# KiCad board uC_TP_Boussole_mb.kicad_pcb (continued)
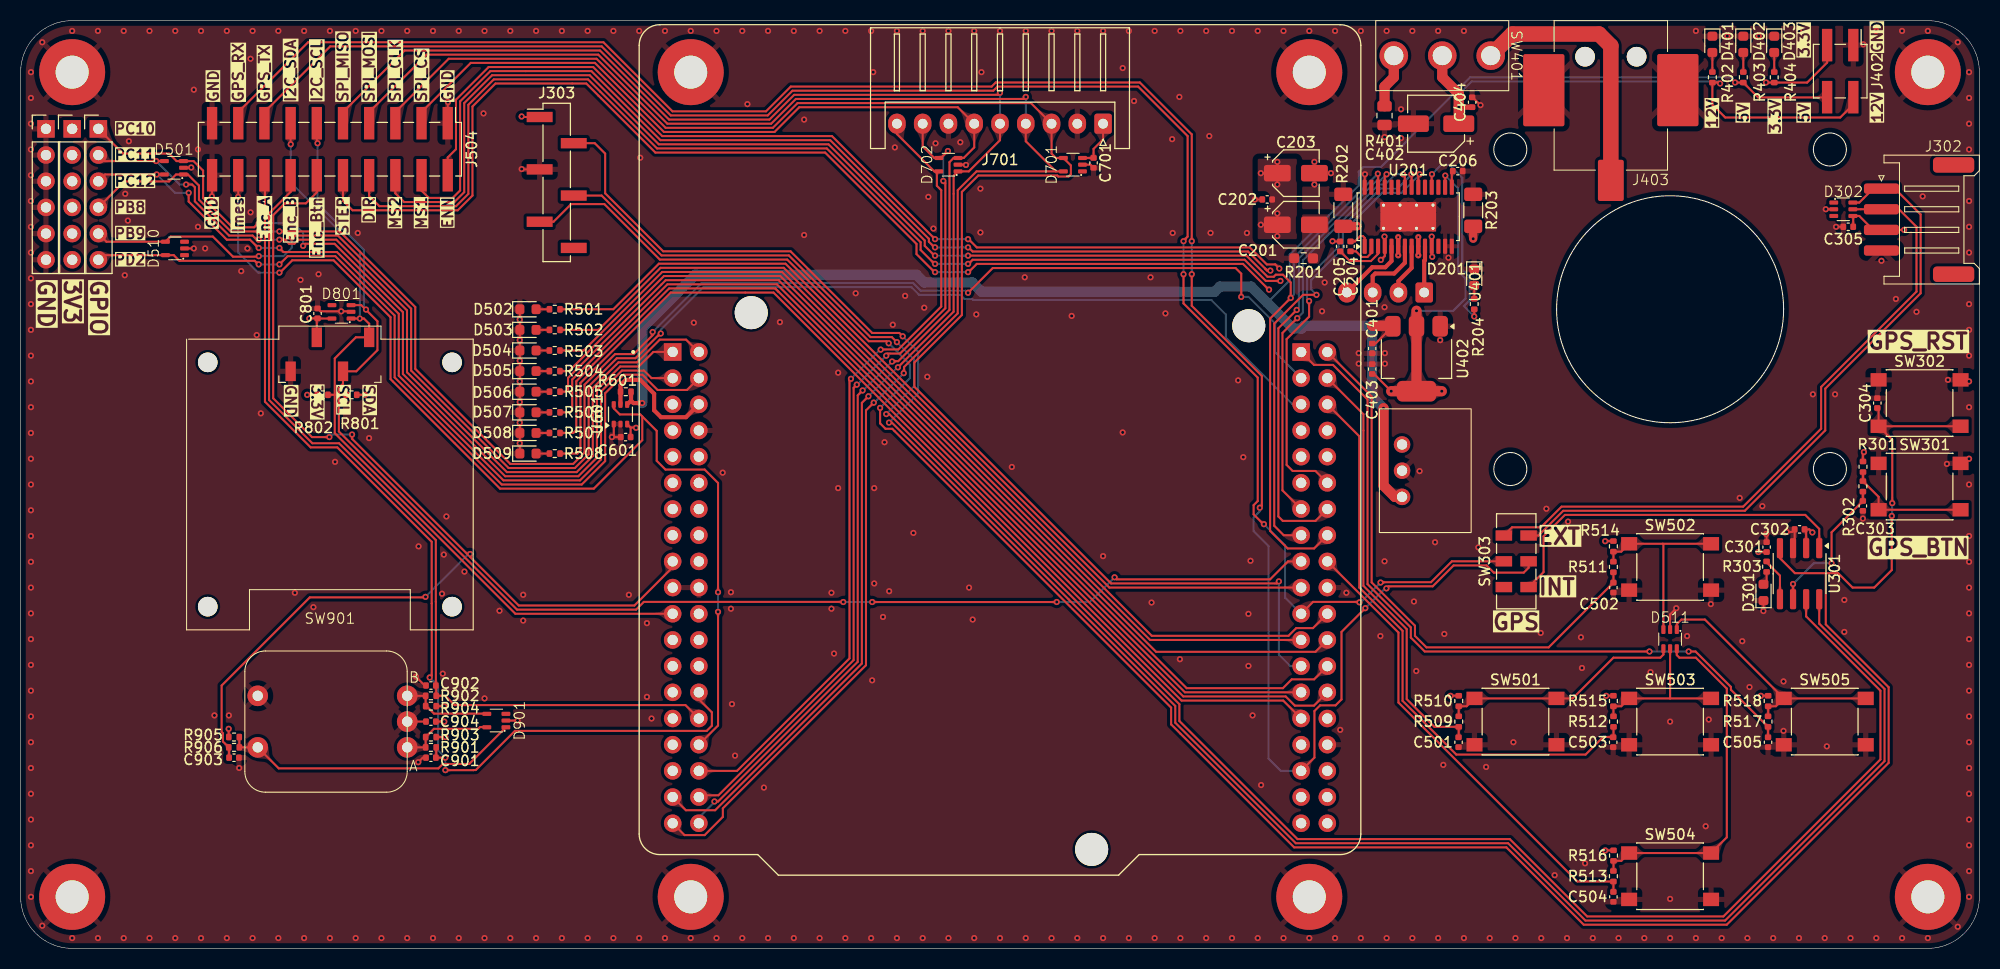
[diagram p0: board, top side]
## Nets
+3.3V: C301.1 C302.1 C305.1 C403.1 C601.1 C701.1 C801.1 C904.1 D302.4 D701.3 D801.5 J302.3 J303.1 J402.3 J502.1 J502.2 J502.3 J502.4 J502.5 J502.6 J701.1 J801.2 R301.2 R404.1 R510.2 R514.2 R515.2 R516.2 R518.2 R801.2 R802.2 R903.1 R904.1 R905.1 U201.16 U301.2 U402.2 U601.3
+5V: C401.1 J402.4 R403.1 R601.1 U401.3 U402.3 U601.4
+12V: C201.1 C202.1 C203.1 C205.1 C402.1 C404.1 J402.2 R402.1 SW401.2 U201.4 U201.11 U401.1
GND: C202.2 C203.2 C206.1 C301.2 C302.2 C303.2 C304.2 C305.2 C401.2 C402.2 C403.2 C404.2 C501.2 C502.2 C503.2 C504.2 C505.2 C601.2 C701.2 C801.2 C901.2 C902.2 C903.2 C904.2 D201.1 D301.1 D302.2 D401.1 D402.1 D403.1 D501.2 D502.1 D503.1 D504.1 D505.1 D506.1 D507.1 D508.1 D509.1 D510.2 D511.2 D701.2 D702.2 D801.2 D901.2 H101.1 H102.1 H103.1 H104.1 H105.1 H106.1 H107.1 H108.1 J302.4 J303.3 J402.1 J403.2 J403.3 J501.1 J501.2 J501.3 J501.4 J501.5 J501.6 J504.1 J504.19 J504.20 J701.2 J701.7 J801.1 R201.2 R202.2 R203.2 R401.2 SW301.1 SW302.1 SW501.2 SW502.2 SW503.2 SW504.2 SW505.2 SW901.C SW901.S2 U201.13 U201.14 U201.28 U201.29 U301.3 U401.2 U402.1 U501.108 U501.119 U501.120 U501.122 U501.209 U501.220 U501.232 U601.1 U601.2
/Current_NCS199A3RSQT2G/Imes: J504.18 U501.132 U601.6
/Current_NCS199A3RSQT2G/Load: R601.2 U501.106 U601.5
/GPS_TEL0094_STM32C011J4M6/GPS_RX: D302.5 J302.2 SW303.3
/GPS_TEL0094_STM32C011J4M6/GPS_TX: D302.6 J302.1 SW303.6
/GPS_TEL0094_STM32C011J4M6/NUCLEO_RX: J504.17 SW303.5 U501.233
/GPS_TEL0094_STM32C011J4M6/NUCLEO_TX: J504.15 SW303.2 U501.221
/GPS_TEL0094_STM32C011J4M6/STM32C0_BTN: C303.1 R302.2 U301.6
/GPS_TEL0094_STM32C011J4M6/STM32C0_LED: R303.1 U301.5
/GPS_TEL0094_STM32C011J4M6/STM32C0_NRST: C304.1 J303.5 SW302.2 U301.4
/GPS_TEL0094_STM32C011J4M6/STM32C0_SWCLK: J303.2 U301.8
/GPS_TEL0094_STM32C011J4M6/STM32C0_SWDIO: J303.4 U301.7
/GPS_TEL0094_STM32C011J4M6/STM32C0_TX: SW303.4 U301.1
/Magnetometre_BMM150_SEN0419/INT: D702.5 J701.9 U501.134
/Magnetometre_BMM150_SEN0419/SPI_CLK: D701.4 J504.5 J701.3 U501.225
/Magnetometre_BMM150_SEN0419/SPI_CS: D702.3 J504.3 J701.6 U501.138
/Magnetometre_BMM150_SEN0419/SPI_MISO: D702.1 J504.9 J701.5 U501.135
/Magnetometre_BMM150_SEN0419/SPI_MOSI: D701.5 J504.7 J701.4 U501.137
/Magnetometre_BMM150_SEN0419/STATUS: D702.4 J701.8 U501.136
/NUCLEO_L476RG/BTN_B: D511.6 R513.2 R516.1 SW504.1
/NUCLEO_L476RG/BTN_BOT: C504.1 R513.1 U501.218
/NUCLEO_L476RG/BTN_C: D511.5 R512.2 R515.1 SW503.1
/NUCLEO_L476RG/BTN_CENTER: C503.1 R512.1 U501.206
/NUCLEO_L476RG/BTN_L: D511.4 R509.2 R510.1 SW501.1
/NUCLEO_L476RG/BTN_LEFT: C501.1 R509.1 U501.204
/NUCLEO_L476RG/BTN_R: D511.1 R517.2 R518.1 SW505.1
/NUCLEO_L476RG/BTN_RIGHT: C505.1 R517.1 U501.201
/NUCLEO_L476RG/BTN_T: D511.3 R511.2 R514.1 SW502.1
/NUCLEO_L476RG/BTN_TOP: C502.1 R511.1 U501.202
/NUCLEO_L476RG/ENC_BTN: C903.1 J504.12 R906.2 U501.117
/NUCLEO_L476RG/I2C1_SCL: D801.3 J504.11 J801.3 R801.1 U501.217
/NUCLEO_L476RG/I2C1_SDA: D801.1 J504.13 J801.4 R802.1 U501.121
/NUCLEO_L476RG/LED_0: R501.1 U501.219
/NUCLEO_L476RG/LED_1: R502.1 U501.222
/NUCLEO_L476RG/LED_2: R503.1 U501.223
/NUCLEO_L476RG/LED_3: R504.1 U501.224
/NUCLEO_L476RG/LED_4: R505.1 U501.226
/NUCLEO_L476RG/LED_5: R506.1 U501.227
/NUCLEO_L476RG/LED_6: R507.1 U501.228
/NUCLEO_L476RG/LED_7: R508.1 U501.229
/NUCLEO_L476RG/PB8: D501.1 J503.4 U501.203
/NUCLEO_L476RG/PB9: D510.4 J503.5 U501.205
/NUCLEO_L476RG/PC10: D501.3 J503.1 U501.101
/NUCLEO_L476RG/PC11: D501.4 J503.2 U501.102
/NUCLEO_L476RG/PC12: D501.5 J503.3 U501.103
/NUCLEO_L476RG/PD2: D510.5 J503.6 U501.104
/NUCLEO_L476RG/STEPPER_DIR: J504.8 U201.20 U501.215
/NUCLEO_L476RG/STEPPER_ENN: J504.2 U201.21 U501.212
/NUCLEO_L476RG/STEPPER_MS1: J504.4 U201.25 U501.214
/NUCLEO_L476RG/STEPPER_MS2: J504.6 U201.26 U501.216
/NUCLEO_L476RG/TIM2_CH1_ENC_A: C901.1 J504.16 R901.1 U501.128
/NUCLEO_L476RG/TIM2_CH2_ENC_B: C902.1 J504.14 R902.1 U501.130
/NUCLEO_L476RG/TIM3_CH1_STEPPER_PWM: J504.10 U201.22 U501.213
/Rotary_Encodeur/A: D901.5 R901.2 R903.2 SW901.A
/Rotary_Encodeur/B: D901.4 R902.2 R904.2 SW901.B
/Rotary_Encodeur/S: D901.1 R905.2 R906.1 SW901.S1
/TMC2225_Driver/A1: J201.3 U201.7
/TMC2225_Driver/A2: J201.4 U201.5
/TMC2225_Driver/B1: J201.2 U201.8
/TMC2225_Driver/B2: J201.1 U201.10
Net-(C201-Pad2): C201.2 R201.1
Net-(D201-A): D201.2 R204.1
Net-(D301-A): D301.2 R303.2
Net-(D401-A): D401.2 R402.2
Net-(D402-A): D402.2 R403.2
Net-(D403-A): D403.2 R404.2
Net-(D502-A): D502.2 R501.2
Net-(D503-A): D503.2 R502.2
Net-(D504-A): D504.2 R503.2
Net-(D505-A): D505.2 R504.2
Net-(D506-A): D506.2 R505.2
Net-(D507-A): D507.2 R506.2
Net-(D508-A): D508.2 R507.2
Net-(D509-A): D509.2 R508.2
Net-(R301-Pad1): R301.1 R302.1 SW301.2
Net-(SW401-A): J403.1 SW401.1
Net-(SW401-C): R401.1 SW401.3
Net-(U201-5VOUT): C206.2 U201.15
Net-(U201-BRA): R202.1 U201.6
Net-(U201-BRB): R203.1 U201.9
Net-(U201-CPI): C204.1 U201.2
Net-(U201-CPO): C204.2 U201.1
Net-(U201-DIAG): R204.2 U201.18
Net-(U201-VCP): C205.2 U201.3

Pads without a net: D302 1 3; D510 1 3; D701 1; D801 4; D901 3; J303 6; SW303 1; U201 12 17 19 23 24 27; U501 105 107 109 110 111 112 113 114 115 116 118 123 124 125 126 127 129 131 133 207 208 210 211 230 231 234 235 236 237 238

## Via types
v1: diameter 0.6, hole 0.3, Top to Bottom, 538 vias
v2: diameter 0.4, hole 0.2, Top to Bottom, 4 vias

## Routing (per net, layer and track width the routed paths; a pad name or vN(x,y) marks a point on that pad's centre or on a via; arc(x,y) is an arc through that point)
+3.3V: length 75.3
  Top w0.2: R904.1 v1(41.1,23.5) ; R515.2 153.81,24.51 v1(153.8,24.5) ; C305.1 177.76,71.02 177.72,71.05 178.35,71.05 179.7,69.7 J302.3 v1(182.7,69.7) ; 59.17,50.53 59.67,50.53 v1(59.7,50.5) ; 59.17,50.53 U601.3 ; 59.17,50.53 C601.1 ; D701.3 104.07,76.67 C701.1 104.07,77.56 105,78.48 J701.1 ; C403.1 131.28,55.72 v1(132.95,54.05) ; R802.2 v1(27.8,53.7) ; R301.2 178.71,47.21 178.7,47.2 178.7,48.05 v1(178.8,48.15) ; v1(138.7,24.5) 138.71,24.51 R510.2 ; v1(138.19,74.97) 138.18,74.95 138.18,73.84 ; C801.1 28.73,61.05 J801.2 ; C801.1 28.82,61.1 D801.5 ; C801.1 28.02,61.12 v1(28,61.1) ; v1(168.8,24.5) 168.81,24.51 R518.2 ; R905.1 20.19,21.29 v1(20.18,21.3) ; R801.2 v1(33.4,53.7) ; v1(169.3,84) 169.31,83.99 R404.1 173.29,83.99 175.23,85.93 175.23,87.42 ; R903.1 v1(41.2,20.5) ; R516.2 153.71,9.51 v1(153.7,9.5) ; J303.1 48.65,80.65 v1(48.6,80.7) ; R514.2 153.71,39.51 v1(153.7,39.5) ; v1(173.8,40.35) 173.5,40.65 C302.1 173.19,40.5 U301.2 ; C904.1 v1(41.1,22) ; C301.1 v1(168.56,38.45)
  Top w1: U402.2 U402.2 v1(135.4,61.85) ; U402.2 v1(132.95,54.05) ; U402.2 v1(137.85,54.05)
  Bottom w0.2: v1(135.4,61.85) 138.96,61.85 140.15,63.04 140.15,64.96 139.44,65.67 139.44,73.72 v1(138.19,74.97)
+5V: length 174.9
  Top w0.2: C401.1 131.43,58.68 U402.3 ; v1(166.3,84) 166.31,83.99 R403.1 168.54,82.55 175.06,82.55 175.23,82.38
  Top w0.4: R601.1 59.21,53.14 ; 59.21,53.14 U601.4 ; 59.21,53.14 59.44,52.9 v1(60.3,52.9)
  Top w1: v1(132.2,52.4) 132.2,44.9 133.3,43.8 U401.3 ; U402.3 133.05,60.4 v1(131.1,60.4)
  Bottom w0.2: v1(166.3,84) 165.8,84.5 140.6,84.5 134.5,78.4 134.5,78.35 131.95,75.8 130.25,75.8 129.8,75.35 129.8,74 123.1,67.3 123.1,64.8 120.93,62.63
  Bottom w1: v1(60.3,52.9) 60.3,60.2 65.45,65.35 86.9,65.35 87.65,64.6 92.31,64.6 93.21,63.7 115.83,63.7 116.33,64.2 119.36,64.2 123.42,60.14 124.25,60.14 124.51,60.4 v1(131.1,60.4) 131.1,53.5 v1(132.2,52.4)
+12V: length 89.4
  Top w0.2: v1(132.29,69.05) 132.32,69.02 U201.4 132.32,67.18 v1(131.94,66.79) ; C201.1 v1(121.9,71.3) ; C201.1 v1(121.9,69.1) ; C201.1 v1(120.3,70.2) ; C203.1 v1(120.3,75.2) ; C203.1 v1(121.9,74.1) ; C203.1 v1(121.9,76.3) ; v1(136.93,67.09) 136.88,67.14 U201.11 136.88,69.05 v1(136.87,69.05) ; J402.2 177.77,81.87 176.5,80.6 165.35,80.6 164.1,81.85 R402.1 164.76,83.99 v1(164.85,83.9) ; v1(127.25,68.6) 127.27,68.58 C205.1
  Top w0.5: C404.1 v1(139.5,81.6)
  Top w1: C402.1 v1(139.5,81.6) 139.5,82.9 137.9,84.5 SW401.2
  In1.Cu w1: U401.1 135.71,48.88 141,54.17 141,59.89 140,60.89 140,61.71 140.84,62.55 140.84,66.71
  Bottom w0.2: v1(164.85,83.9) 164.65,84.1 140.77,84.1 139.5,82.83 v1(139.5,81.6)
GND: length 46.7
  Top w0.2: v1(171.3,40.4) 171.83,40.4 C302.2 172.08,38.98 U301.3 ; v1(141.61,81.8) 140.85,82.56 C404.2 ; D302.2 v1(175.1,71.7) ; v1(38.57,18.06) 39.01,18.5 C901.2 ; D510.2 v1(16.8,67.9) ; v1(41.45,82.1) 41.43,82.08 J504.1 ; D702.2 91.68,76.03 v1(91.7,76) ; C801.2 29.08,61.8 32,61.8 D801.2 ; v1(16.55,75.75) 16.53,75.72 D501.2 ; C305.2 v1(176.1,70) ; U601.1 57.53,49.78 v1(57.35,49.6) C601.2 ; U201.28 130.38,75.08 v1(130.4,75.1) ; C701.2 103.77,76.03 D701.2 ; J504.20 18.57,72.97 v1(18.55,72.95) ; 180.6,47 180.55,47.05 SW301.1 ; D301.1 169.06,32.73 v1(169.05,32.72) ; v1(160.6,33) 160,32.4 D511.2 160,31.31 ; D901.2 v1(48.2,22.1) ; v1(38.34,26.36) 39.2,25.5 C902.2 ; 48.42,48 48.42,48.99 v1(48.41,49) 48.42,49.01 48.42,50.99 v1(48.41,51) 48.42,51.01 48.42,52.99 v1(48.41,53) 48.42,53.01 48.42,54.99 v1(48.41,55) 48.42,55.01 48.42,56.99 v1(48.41,57) 48.42,57.01 48.42,58.99 v1(48.41,59) 48.42,59.01 48.42,60.99 v1(48.41,61) 48.42,61.01 48.42,62 ; v1(169.32,40.2) 169.36,40.17 C301.2 ; v1(119.72,72.65) C202.2 ; v1(48.6,75.6) 48.63,75.57 J303.3 ; C904.2 SW901.C
  vias: v1(1,85) v1(1,82.5) v1(1,80) v1(1,77.5) v1(1,75) v1(1,72.5) v1(1,70) v1(1,67.5) v1(1,65) v1(1,62.5) v1(1,60) v1(1,57.5) v1(1,55) v1(1,52.5) v1(1,50) v1(1,47.5) v1(1,45) v1(1,42.5) v1(1,40) v1(1,37.5) v1(1,35) v1(1,32.5) v1(1,30) v1(1,27.5) v1(1,25) v1(1,22.5) v1(1,20) v1(1,17.5) v1(1,15) v1(1,12.5) v1(1,10) v1(1,7.5) v1(1,5) v1(2.1,87.9) v1(2.1,2.2) v1(5,89) v1(5,1) v1(7.5,89) v1(7.5,1) v1(10,89) v1(10,1) v1(10.15,73.2) v1(10.1,65.3) v1(10.4,70.6) v1(10.5,78.3) v1(12.5,89) v1(12.5,1) v1(15,89) v1(15,1) v1(16.8,83.3) v1(17.2,77.5) v1(17.2,70) v1(17.5,89) v1(17.5,1) v1(17.9,67.9) v1(18.8,22.6) v1(20,89) v1(20,1) v1(20.2,22.6) v1(21.2,17.5) v1(21.4,65.7) v1(22,67.9) v1(22.3,86.3) v1(22.3,71.4) v1(22.5,89) v1(22.5,1) v1(22.9,59.5) v1(23.3,51.9) v1(25,89) v1(25,1) v1(26.6,34.5) v1(27.15,64.85) v1(27.5,89) v1(27.5,1) v1(28.4,33.1) v1(28.9,65.4) v1(30,89) v1(30,1) v1(30.5,47.2) v1(31.1,61.8) v1(32.5,89) v1(32.5,1) v1(32.7,69.4) v1(33.8,49.5) v1(35,89) v1(35,1) v1(37.5,89) v1(37.5,1) v1(38.6,39) v1(40,89) v1(40,1) v1(40.88,34.4) v1(41.05,38.2) v1(40.95,26.65) v1(41.3,41.9) v1(42.5,89) v1(42.5,1) v1(43.05,36.55) v1(44.9,81) v1(45,89) v1(45,24.25) v1(45,1) v1(46.45,32.75) v1(47.5,89) v1(47.5,1) v1(48.75,34.3) v1(48.75,31.8) v1(50,89) v1(50,1) v1(52.5,89) v1(52.5,1) v1(55,89) v1(55,1) v1(57.5,89) v1(57.5,1) v1(59,34.3) v1(60,89) v1(60,1) v1(60.1,76.7) v1(60.75,31.55) v1(60.75,24.4) v1(61.2,22.3) v1(62.5,89) v1(62.5,1) v1(65,89) v1(65,1) v1(65.3,60.7) v1(67.5,89) v1(67.5,1) v1(68.1,46.15) v1(68.9,34.55) v1(68.9,32.95) v1(69,23.7) v1(69.3,18.7) v1(70,89) v1(70,1) v1(70.5,81.9) v1(72.1,15.6) v1(72.5,89) v1(72.5,1) v1(73.65,60.75) v1(75,89) v1(75,1) v1(76,80.4) v1(76,69.2) v1(77.5,89) v1(77.5,1) v1(78.65,34.5) v1(78.65,32.95) v1(78.9,28.6) v1(79.3,55.85) v1(79.3,44.65) v1(80,89) v1(80,1) v1(81,63.55) v1(82.5,89) v1(82.5,1) v1(82.6,26) v1(82.7,85) v1(82.8,44.65) v1(82.8,35.4) v1(83.65,32.15) v1(83.8,49.1) v1(84.25,34.65) v1(84.6,60.5) v1(84.8,77.7) v1(85,89) v1(85,1) v1(85.8,63.3) v1(86.6,40.3) v1(87.5,89) v1(87.5,1) v1(87.65,62.15) v1(87.95,55.45) v1(88.05,72.9) v1(88.54,69.83) v1(88.75,78.1) v1(90,89) v1(90,1) v1(91.15,78.2) v1(92,35) v1(92.35,31.9) v1(92.5,89) v1(92.5,1) v1(92.7,61.5) v1(93.1,73.7) v1(93.1,69.45) v1(93.2,85) v1(95,89) v1(95,1) v1(96.15,46.7) v1(97.4,65.1) v1(97.5,89) v1(97.5,1) v1(100,89) v1(100,1) v1(101.95,61.35) v1(102.5,89) v1(102.5,1) v1(105,89) v1(105,38.05) v1(105,1) v1(106.9,85.4) v1(106.9,50.05) v1(107.5,89) v1(107.5,1) v1(108,82.2) v1(109.6,65.1) v1(109.7,33.55) v1(110,89) v1(110,1) v1(111.05,61.6) v1(111.7,78.5) v1(111.75,69.4) v1(112.4,82.6) v1(112.45,28.05) v1(112.5,89) v1(112.5,1) v1(115,89) v1(115,1) v1(115.3,78.8) v1(115.42,69.41) v1(117.5,89) v1(117.5,1) v1(118.1,55.1) v1(118.6,47.65) v1(118.95,69.4) v1(119.1,32.45) v1(119.1,27.4) v1(119.3,37.6) v1(119.5,22.6) v1(120,89) v1(120,1) v1(120.33,15.85) v1(122.5,89) v1(122.5,1) v1(125,89) v1(125,1) v1(125.5,76.3) v1(125.5,74.1) v1(126.24,61.81) v1(126.49,64.6) v1(127.1,75.2) v1(127.5,89) v1(127.5,1) v1(128,21.2) v1(128.6,34.5) v1(129.79,57.74) v1(129.79,56.73) v1(130,89) v1(130,1) v1(131.9,30.3) v1(132.3,78.7) v1(132.3,62.2) v1(132.33,57.74) v1(132.33,56.73) v1(132.3,37.55) v1(132.5,89) v1(132.5,1) v1(133.9,81.4) v1(133.9,78.6) v1(135,89) v1(135,1) v1(135.15,33.65) v1(135.38,26.9) v1(135.7,46.3) v1(137.2,39.4) v1(137.5,89) v1(137.5,1) v1(137.7,59) v1(138,17.8) v1(138.1,30.5) v1(138.5,67) v1(140,89) v1(140,1) v1(141.4,38.9) v1(142.15,17.6) v1(142.5,1) v1(144.8,20) v1(145,1) v1(147.45,30.6) v1(147.5,1) v1(148,42.65) v1(148.8,7.1) v1(150,1) v1(150.1,41.4) v1(151.35,30.18) v1(151.45,27.2) v1(151.75,8.25) v1(152.5,1) v1(155,1) v1(157.5,1) v1(158.1,26.8) v1(160,22) v1(160,4.8) v1(160,1) v1(161.65,30.3) v1(162.5,89) v1(162.5,1) v1(163.45,11.85) v1(163.75,22.2) v1(163.95,33.4) v1(165,1) v1(165.55,88.5) v1(166.75,43.7) v1(167,29.8) v1(167.5,1) v1(167.7,25.35) v1(168.6,88.5) v1(168.95,42.9) v1(170,1) v1(171,25.9) v1(171,21.1) v1(172.5,89) v1(172.5,1) v1(173.85,53.75) v1(175,1) v1(175.2,19.6) v1(176,53.75) v1(176.9,33.8) v1(176.9,30.7) v1(177.5,1) v1(178.7,41.7) v1(178.75,87.7) v1(180,89) v1(180,1) v1(180.5,66.7) v1(181.9,63) v1(182.5,89) v1(182.5,1) v1(183.9,61.75) v1(184.5,72.95) v1(185,89) v1(185,1) v1(186.85,47) v1(186.95,55.15) v1(187.9,87.9) v1(187.9,2.1) v1(189,85) v1(189,82.5) v1(189,80) v1(189,77.5) v1(189,72.5) v1(189,70) v1(189,67.5) v1(189,62.5) v1(189,60) v1(189,57.5) v1(189,55) v1(189,52.5) v1(189,47.5) v1(189,45) v1(189,40) v1(189,37.5) v1(189,35) v1(189,32.5) v1(189,30) v1(189,27.5) v1(189,25) v1(189,22.5) v1(189,20) v1(189,17.5) v1(189,15) v1(189,12.5) v1(189,10) v1(189,7.5) v1(189,5)
/Current_NCS199A3RSQT2G/Imes: length 106.3
  Top w0.2: U501.132 67.65,21.62 v1(67.65,32.65) ; J504.18 21.11,72.91 v1(21.1,72.9) ; U601.6 57.53,52.39 58.12,51.8 60.1,51.8 60.3,51.6 ; v1(25.1,65.55) 25.15,65.55 26.35,66.75 30.36,66.75 35.88,61.22 35.88,55.22 46.51,44.6 55.6,44.6 60.3,49.3 60.3,51.6 ; 60.3,51.6 61.7,50.2 61.7,47.3 62.55,46.45 66.35,46.45 67.65,45.15 v1(67.65,34.55)
  Bottom w0.2: v1(25.1,65.55) 23.05,65.55 21.1,67.5 v1(21.1,72.9) ; v1(67.65,32.65) v1(67.65,34.55)
/Current_NCS199A3RSQT2G/Load: length 12.6
  Top w0.4: U601.5 58.19,54 R601.2 58.19,54.64 58.7,55.15 60.1,55.15 61.45,53.8 61.45,52.2 62.12,51.53 64.54,51.53 U501.106
/GPS_TEL0094_STM32C011J4M6/GPS_RX: length 65.1
  Top w0.2: SW303.3 144.68,40.85 147.47,40.85 149.47,42.85 167.08,42.85 174.65,50.42 174.65,54.47 183.9,63.72 183.9,70 182.2,71.7 J302.2 178.03,71.7
/GPS_TEL0094_STM32C011J4M6/GPS_TX: length 66
  Top w0.2: 146.28,40.05 147.23,40.05 149.63,42.45 167.25,42.45 175.05,50.25 175.05,54.3 184.3,63.55 184.3,71.2 181.8,73.7 J302.1 179.7,73.7 178.35,72.35 177.72,72.35
/GPS_TEL0094_STM32C011J4M6/NUCLEO_RX: length 208.5
  Top w0.2: v1(120.2,42.75) 120.4,42.95 120.4,55.53 113.6,62.33 v1(113.6,65.4) 113.6,65.6 ; J504.17 21.11,81.12 27.89,87.9 56.53,87.9 63.23,81.2 72.3,81.2 74.7,83.6 94.19,83.6 94.59,84 108.57,84 113.6,78.97 v1(113.6,68.6) ; U501.233 125.5,18.51 125.5,23.02 126.05,23.58 127.55,23.58 128.12,24.15 128.12,30.7 130.43,33.01 v1(130.44,33.01) ; v1(132.48,34.92) 132.68,35.12 136.97,35.12 139,37.15 142.2,37.15 142.9,36.45 145.8,36.45 146.28,36.92 146.28,37.55
  Bottom w0.2: v1(113.6,68.6) v1(113.6,65.4) ; v1(132.48,34.92) 132.35,34.92 v1(130.44,33.01) ; U501.233 122.23,17.22 121.05,18.4 121.05,39.03 119.6,40.48 119.6,41.8 120.2,42.4 v1(120.2,42.75)
/GPS_TEL0094_STM32C011J4M6/NUCLEO_TX: length 172.6
  Top w0.2: v1(112.8,68.6) 113,68.8 113,68.85 113.2,69.05 113.2,78.8 108.4,83.6 94.75,83.6 94.35,83.2 74.87,83.2 72.47,80.8 63.07,80.8 56.37,87.5 30.03,87.5 23.65,81.12 J504.15 ; v1(129.87,33.57) 129.83,33.61 125.36,33.61 U501.221 ; v1(120.6,41.15) 120.55,41.15 119.6,42.1 119.6,42.99 120,43.39 120,55.37 112.8,62.57 v1(112.8,65.4) ; v1(131.91,35.49) 132.2,35.49 132.23,35.52 136.81,35.52 138.83,37.55 SW303.2
  Bottom w0.2: v1(120.6,41.15) 122.65,39.1 122.65,34.02 U501.221 ; v1(129.87,33.57) 130.07,33.78 130.2,33.78 v1(131.91,35.49) ; v1(112.8,68.6) v1(112.8,65.4)
/GPS_TEL0094_STM32C011J4M6/STM32C0_BTN: length 14.3
  Top w0.2: U301.6 v1(171.93,35.35) ; v1(175.66,37.36) 175.66,40.36 C303.1 R302.2
  Bottom w0.2: v1(175.66,37.36) 173.94,37.36 v1(171.93,35.35)
/GPS_TEL0094_STM32C011J4M6/STM32C0_LED: length 4.2
  Top w0.2: U301.5 170.66,36.16 169.36,37.46 R303.1
/GPS_TEL0094_STM32C011J4M6/STM32C0_NRST: length 234.2
  Top w0.2: SW302.2 188.18,50.65 ; SW302.2 180.22,52.3 C304.1 ; SW302.2 181.55,49.33 v1(181.55,43.19) ; U301.4 170.66,37.85 172.11,36.4 175.1,36.4 ; v1(84.2,58.7) 84,58.9 82.28,58.9 74.36,66.82 62,66.82 56.62,72.2 53.4,72.2 51.69,70.49 J303.5 ; 175.1,36.4 176.3,36.4 177.7,35 179.8,35 181.5,36.7 v1(181.5,41.95) ; 175.1,36.4 175.1,31.43 181.2,25.33 181.2,18 165.5,2.3 151.62,2.3 144.12,9.8 123.53,9.8 112.5,20.83 111.6,21.73 111.6,23.35 101.98,32.98 ; v1(83.37,52.43) 83.37,50.93 83.9,50.4 84.55,50.4 101.88,33.08
  Bottom w0.2: v1(181.5,41.95) 181.55,42 v1(181.55,43.19) ; v1(84.2,58.7) 86.26,56.64 86.26,55.32 v1(83.37,52.43)
/GPS_TEL0094_STM32C011J4M6/STM32C0_SWCLK: length 194.4
  Top w0.2: v1(85.56,59.38) 85.24,59.7 82.61,59.7 74.69,67.62 62.33,67.62 56.7,73.25 56.7,77.1 55.69,78.11 J303.2 ; v1(84.23,51) 84.52,51 101.66,33.86 112,23.52 112,21.89 123.69,10.2 144.29,10.2 151.79,2.7 165.33,2.7 180.8,18.17 180.8,25.17 174.47,31.5 U301.8
  Bottom w0.2: v1(84.23,51) 87.06,53.83 87.06,57.88 v1(85.56,59.38)
/GPS_TEL0094_STM32C011J4M6/STM32C0_SWDIO: length 188.4
  Top w0.2: U301.7 173.19,32.2 180.4,25 180.4,18.33 165.17,3.1 151.95,3.1 144.45,10.6 123.86,10.6 112.4,22.06 112.4,23.68 93.89,42.19 84.25,51.83 v1(83.97,51.83) ; v1(85,58.81) 84.51,59.3 82.44,59.3 74.52,67.22 62.17,67.22 56.36,73.03 J303.4
  Bottom w0.2: v1(85,58.81) 86.66,57.15 86.66,54.52 v1(83.97,51.83)
/GPS_TEL0094_STM32C011J4M6/STM32C0_TX: length 35.6
  Top w0.2: 146.28,35.05 147.72,36.5 147.72,39.97 149.8,42.05 173.11,42.05 174.47,40.69 U301.1
/Magnetometre_BMM150_SEN0419/INT: length 77.9
  Top w0.2: J701.9 85,79 88.62,75.38 D702.5 88.88,75.17 88.88,73.97 89.3,73.55 89.3,62.27 85.13,58.1 83.44,58.1 v1(83.42,58.08) ; U501.134 69.49,17.22 80.4,28.13 80.4,55.11 v1(80.54,55.26)
  Bottom w0.2: v1(80.54,55.26) 83.37,58.08 v1(83.42,58.08)
/Magnetometre_BMM150_SEN0419/SPI_CLK: length 162.8
  Top w0.2: v1(122.05,35.6) 121.85,35.4 105.78,35.4 86.7,54.48 86.7,56.84 91.3,61.44 91.3,73.38 92.89,74.97 100.56,74.97 100.66,74.88 101.64,74.88 101.88,75.11 101.88,75.95 D701.4 100.43,76.67 100,77.1 J701.3 98,82 75.37,82 72.97,79.6 62.57,79.6 55.87,86.3 41.53,86.3 36.35,81.12 J504.5
  Bottom w0.2: U501.225 123.17,27.38 122.05,28.5 v1(122.05,35.6)
/Magnetometre_BMM150_SEN0419/SPI_CS: length 141.2
  Top w0.2: v1(67.3,14.25) 67.65,14.25 81.2,27.8 81.2,53.65 v1(81.68,54.13) ; J504.3 38.89,81.12 43.67,85.9 55.7,85.9 62.4,79.2 73.13,79.2 75.53,81.6 90.9,81.6 J701.6 92.5,77.7 91.47,76.67 D702.3 90.5,76.67 90.1,76.27 90.1,61.93 85.13,56.96 84.85,56.96 84.81,56.93 v1(84.53,56.93)
  Bottom w0.2: v1(84.53,56.93) 81.73,54.13 v1(81.68,54.13) ; U501.138 65.79,12.69 67.3,14.2 v1(67.3,14.25)
/Magnetometre_BMM150_SEN0419/SPI_MISO: length 157.5
  Top w0.2: v1(82.24,53.56) 81.6,52.92 81.6,27.63 67.37,13.4 64.53,13.4 U501.135 ; v1(95,83) 94.8,82.8 75.03,82.8 72.63,80.4 62.9,80.4 56.2,87.1 37.25,87.1 31.27,81.12 J504.9 ; J701.5 95,78.4 91.97,75.38 D702.1 90.5,74.95 90.5,61.77 v1(85.09,56.36)
  Bottom w0.2: v1(82.24,53.56) 85.04,56.36 v1(85.09,56.36) ; v1(95,83) J701.5
/Magnetometre_BMM150_SEN0419/SPI_MOSI: length 166.7
  Top w0.2: J504.7 33.81,81.12 39.39,86.7 56.03,86.7 62.73,80 72.8,80 75.2,82.4 97.3,82.4 v1(97.5,82.6) ; D701.5 100.43,75.38 ; 100.43,75.38 92.72,75.38 90.9,73.55 90.9,61.6 85.69,56.4 85.69,56.11 85.66,56.08 v1(85.66,55.8) ; 100.43,75.38 97.5,78.3 J701.4 ; U501.137 64.4,10.99 66.35,10.99 68.12,12.76 68.12,13.58 82,27.47 82,52.19 v1(82.76,52.94)
  Bottom w0.2: v1(82.76,52.94) 82.81,52.94 v1(85.66,55.8) ; v1(97.5,82.6) J701.4
/Magnetometre_BMM150_SEN0419/STATUS: length 80
  Top w0.2: U501.136 65.96,14.85 67.68,14.85 80.8,27.97 80.8,54.38 v1(81.11,54.69) ; v1(89.5,74.45) 89.7,74.25 89.7,62.1 85.3,57.7 84.1,57.7 83.96,57.56 v1(83.96,57.49) ; v1(89.95,77.35) 89.28,76.67 D702.4 88.62,76.67 87.5,77.8 J701.8
  Bottom w0.2: v1(89.5,74.45) 89.5,76.9 v1(89.95,77.35) ; v1(83.96,57.49) 81.16,54.69 v1(81.11,54.69)
/NUCLEO_L476RG/BTN_B: length 34.2
  Top w0.2: R513.2 154.51,7.52 R516.1 155.26,8.49 SW504.1 SW504.1 165.5,10.78 165.5,25.2 162.5,28.2 160.9,28.2 160.65,28.45 D511.6
/NUCLEO_L476RG/BTN_BOT: length 45.6
  Top w0.2: C504.1 R513.1 151.01,6.49 133.65,23.85 133.65,30.64 U501.218
/NUCLEO_L476RG/BTN_C: length 15.6
  Top w0.2: D511.5 160,24.25 ; 160,24.25 SW503.1 155.26,23.49 R515.1 154.5,22.52 R512.2 ; 160,24.25 SW503.1
/NUCLEO_L476RG/BTN_CENTER: length 56.1
  Top w0.2: 154.51,20.51 153.51,20.51 151.8,18.8 139.26,18.8 134.05,24.01 134.05,30.81 129.85,35.01 129.85,49.68 U501.206 ; 154.51,20.51 R512.1 ; 154.51,20.51 C503.1
/NUCLEO_L476RG/BTN_L: length 23.5
  Top w0.2: D511.4 159.35,28.5 159.05,28.2 154.5,28.2 150.55,24.25 SW501.1 SW501.1 140.26,23.49 R510.1 R509.2
/NUCLEO_L476RG/BTN_LEFT: length 41.5
  Top w0.2: C501.1 139.5,20.5 R509.1 137.14,21.49 134.45,24.18 134.45,30.97 130.25,35.17 130.25,51.82 U501.204
/NUCLEO_L476RG/BTN_R: length 25
  Top w0.2: SW505.1 SW505.1 ; SW505.1 163.38,31.9 161.1,31.9 160.65,31.45 D511.1 ; SW505.1 170.26,23.49 R518.1 169.51,22.52 R517.2
/NUCLEO_L476RG/BTN_RIGHT: length 72.6
  Top w0.2: U501.201 125.46,56.6 127.3,56.6 130.65,53.25 130.65,35.34 134.85,31.14 134.85,30.15 136.2,28.8 v1(158,28.8) ; C505.1 R517.1 165.9,25.09 165.9,25.37 162.47,28.8 v1(161.8,28.8)
  Bottom w0.2: v1(161.8,28.8) v1(158,28.8)
/NUCLEO_L476RG/BTN_T: length 19.1
  Top w0.2: D511.3 159.35,39.2 159.3,39.25 ; 159.3,39.25 SW502.1 155.26,38.49 R514.1 R511.2 ; 159.3,39.25 SW502.1
/NUCLEO_L476RG/BTN_TOP: length 54.4
  Top w0.2: U501.202 131.05,53.55 131.05,35.5 135.25,31.3 135.25,30.32 136.37,29.2 148.22,29.2 C502.1 R511.1
/NUCLEO_L476RG/ENC_BTN: length 111.1
  Top w0.2: v1(32.15,49.85) 32.15,49.43 43.32,38.26 v1(43.61,38.26) 43.61,37.97 48.32,33.26 59.53,33.26 63.25,36.98 U501.117 ; v1(39.28,34.1) 39.22,34.05 28.05,34.05 19.5,25.5 19.5,20.99 19.62,20.87 19.62,20.07 R906.2 20.22,19.47 C903.1 ; v1(29.95,49.6) 28.27,49.6 24.5,53.37 24.5,71.13 25.64,72.28 27.67,72.28 28.73,73.33 J504.12
  Bottom w0.2: v1(39.28,34.1) 43.43,38.26 v1(43.61,38.26) ; v1(32.15,49.85) 30.2,49.85 v1(29.95,49.6)
/NUCLEO_L476RG/I2C1_SCL: length 139.6
  Top w0.2: R801.1 30.87,53.7 ; 30.87,53.7 30.87,54.37 31.27,54.77 J801.3 32.56,55.98 34.61,58.03 34.61,60.83 33.04,62.4 D801.3 ; 30.87,53.7 30.87,50.15 48.16,32.86 59.7,32.86 60.45,33.61 79.79,33.61 v1(79.8,33.6) ; J504.11 28.73,78.17 v1(28.8,78.1) ; v1(106.11,36) 106.31,35.8 121.2,35.8 122.94,37.54 U501.217 ; 100.5,33.6 v1(82.6,33.6)
  Bottom w0.2: v1(106.11,36) 103.71,33.6 100.5,33.6 ; v1(28.8,78.1) 28.8,72.27 33.3,67.77 33.3,62.17 v1(33.5,61.97) ; v1(79.8,33.6) v1(82.6,33.6)
  vias: v1(100.5,33.6)
/NUCLEO_L476RG/I2C1_SDA: length 77.1
  Top w0.2: v1(26.2,78) 26.19,78.01 J504.13 ; 30.47,53.7 30.47,49.98 47.99,32.46 U501.121 ; 30.47,53.7 R802.1 ; 30.47,53.7 30.47,57.23 32.52,59.28 J801.4 33.81,60.59 33.3,61.1 v1(32.9,61.1) D801.1
  Bottom w0.2: v1(32.9,61.1) 32.9,67.6 26.2,74.3 v1(26.2,78)
/NUCLEO_L476RG/LED_0: length 86.7
  Top w0.2: U501.219 105.61,35 74.19,66.42 61.91,66.42 57.49,62 R501.1
/NUCLEO_L476RG/LED_1: length 92.6
  Top w0.2: R502.1 56.05,60 62.07,66.02 74.02,66.02 109.72,30.32 122.98,30.32 123.73,31.07 125.36,31.07 U501.222
/NUCLEO_L476RG/LED_2: length 89.8
  Top w0.2: R503.1 54.62,58 62.24,65.62 73.86,65.62 109.56,29.92 U501.223
/NUCLEO_L476RG/LED_3: length 93.8
  Top w0.2: U501.224 125.6,28.77 110.14,28.77 73.69,65.22 62.41,65.22 53.19,56 R504.1
/NUCLEO_L476RG/LED_4: length 96.9
  Top w0.2: U501.226 125.47,26.1 123.3,26.1 122.44,25.24 113.11,25.24 73.53,64.82 62.57,64.82 53.1,55.35 53.1,54.2 52.9,54 R505.1
/NUCLEO_L476RG/LED_5: length 95.2
  Top w0.2: U501.227 112.94,24.84 73.36,64.42 62.74,64.42 53.5,55.18 53.5,52.2 53.3,52 R506.1
/NUCLEO_L476RG/LED_6: length 100.7
  Top w0.2: 73.2,64.02 73.51,63.71 ; 73.2,64.02 62.9,64.02 53.9,55.02 53.9,50.3 53.6,50 R507.1 ; 73.2,64.02 73.51,63.71 ; 73.51,63.71 112.78,24.44 122.71,24.44 123.6,23.55 125.46,23.55 U501.228
/NUCLEO_L476RG/LED_7: length 99.3
  Top w0.2: R508.1 54,48 54.3,48.3 54.3,54.85 63.07,63.62 73.03,63.62 112.61,24.04 122.47,24.04 U501.229
/NUCLEO_L476RG/PB8: length 154
  Top w0.2: v1(25.1,69.55) 30.95,69.55 38.28,62.22 38.28,56.22 47.5,47 53.6,47 54.7,48.1 54.7,54.69 57.66,57.65 59.47,57.65 61.31,59.49 v1(61.31,59.79) ; v1(91.9,63.6) 94.3,66 117.85,66 118.4,65.45 v1(118.4,63.2) ; J503.4 10.06,74.4 14.4,74.4 15.08,75.08 16.22,75.08 17.3,74 17.3,72.63 20.38,69.55 v1(23.1,69.55)
  Bottom w0.2: U501.203 121.7,57.83 121.7,60.6 119.1,63.2 v1(118.4,63.2) ; v1(61.31,59.79) 66.06,64.55 86.57,64.55 87.32,63.8 91.7,63.8 v1(91.9,63.6) ; v1(23.1,69.55) v1(25.1,69.55)
/NUCLEO_L476RG/PB9: length 149.7
  Top w0.2: v1(23.1,67.15) 23.05,67.1 20.6,67.1 18.65,69.05 14.55,69.05 D510.4 8.33,68.55 J503.5 ; v1(62.09,59.65) 61.89,59.45 61.83,59.45 59.63,57.25 57.83,57.25 55.1,54.52 55.1,47.93 53.77,46.6 47.33,46.6 37.88,56.05 37.88,62.05 30.78,69.15 26.5,69.15 v1(26.3,68.95)
  Bottom w0.2: U501.205 123.37,52.78 116.9,59.25 116.9,61.5 115.5,62.9 92.4,62.9 92.3,63 91.55,63 91.15,63.4 87.15,63.4 86.4,64.15 66.23,64.15 62.09,60.01 v1(62.09,59.65) ; v1(23.1,67.15) 25.5,67.15 26.3,67.95 v1(26.3,68.95)
/NUCLEO_L476RG/PC10: length 84.8
  Top w0.2: v1(27.4,68.15) 27.6,68.35 30.45,68.35 37.08,61.72 37.08,55.72 47,45.8 54.1,45.8 55.9,47.6 55.9,54.19 58.16,56.45 59.97,56.45 61.38,57.86 U501.101 ; J503.1 9.94,77.1 14.4,77.1 15.12,76.38 16.77,76.38 17.7,75.45 17.7,72.8 20.55,69.95 22.65,69.95 22.85,70.15 22.9,70.15 v1(23.1,70.35)
  Bottom w0.2: v1(27.4,68.15) 27.4,69.4 26.45,70.35 v1(23.1,70.35)
/NUCLEO_L476RG/PC11: length 86.1
  Top w0.2: U501.102 65.74,57.86 64.55,59.05 62,59.05 59.8,56.85 58,56.85 55.5,54.35 55.5,47.77 53.93,46.2 47.17,46.2 37.48,55.89 37.48,61.89 30.62,68.75 26.95,68.75 26.55,68.35 26.05,68.35 25.65,68.75 v1(25.1,68.75) ; v1(16.05,74.1) 16.63,74.1 16.9,73.83 16.9,72.47 20.22,69.15 22.5,69.15 22.9,68.75 v1(23.1,68.75) ; J503.2 8.12,76.38 v1(13.15,76.38) 13.95,76.38
  Bottom w0.2: v1(13.15,76.38) 15.42,74.1 v1(16.05,74.1) ; v1(23.1,68.75) v1(25.1,68.75)
/NUCLEO_L476RG/PC12: length 81.6
  Top w0.2: v1(16.3,73.3) 16.3,72.45 20,68.75 22.25,68.75 22.85,68.15 22.9,68.15 v1(23.1,67.95) ; 13.95,75.08 v1(13.2,75.08) 8.2,75.08 J503.3 ; v1(25.1,67.95) 25.5,67.55 30.69,67.55 36.68,61.56 36.68,55.56 46.84,45.4 54.26,45.4 56.3,47.44 56.3,54.02 58.33,56.05 60.47,56.05 61.2,55.32 U501.103
  Bottom w0.2: v1(23.1,67.95) v1(25.1,67.95) ; v1(16.3,73.3) 14.97,73.3 v1(13.2,75.08)
/NUCLEO_L476RG/PD2: length 81.2
  Top w0.2: v1(25.1,66.35) 25.9,67.15 30.52,67.15 36.28,61.39 36.28,55.39 46.67,45 54.43,45 56.7,47.27 56.7,53.85 57.69,54.84 57.69,54.85 58.49,55.65 60.31,55.65 61.79,54.17 64.64,54.17 U501.104 ; v1(23.1,66.35) 22.9,66.55 22.85,66.55 22.7,66.7 15.4,66.7 14.85,67.25 D510.5 7.99,67.25 J503.6
  Bottom w0.2: v1(23.1,66.35) v1(25.1,66.35)
/NUCLEO_L476RG/STEPPER_DIR: length 160.4
  Top w0.2: v1(122.2,64.75) 120.78,64.75 118.73,66.8 92.35,66.8 91.95,66.4 v1(91.9,66.4) ; v1(125.7,63.4) 124.4,63.4 121.6,60.6 121.6,41 122.52,40.08 U501.215 ; J504.8 33.81,73.21 33.8,73.2 33.8,73 34.8,72 42.24,72 43.43,73.19 43.43,81.83 45.9,84.3 55.04,84.3 61.74,77.6 78.2,77.6 87.3,68.5 87.3,67.75 88.45,66.6 88.5,66.6 v1(88.7,66.4) ; U201.20 135.57,74.97 v1(135.7,75.1)
  In1.Cu w0.2: v1(125.7,63.4) 124.34,64.76 122.21,64.76 v1(122.2,64.75)
  Bottom w0.2: v1(125.7,63.4) 125.18,63.92 125.18,64.83 128.25,67.9 128.25,69.49 132.06,73.3 133.95,73.3 135.7,75.05 v1(135.7,75.1) ; v1(88.7,66.4) v1(91.9,66.4)
/NUCLEO_L476RG/STEPPER_ENN: length 144.4
  Top w0.2: v1(88.7,68.8) 78.7,78.8 62.23,78.8 55.53,85.5 45.4,85.5 42.23,82.33 42.23,77.53 41.43,76.73 J504.2 ; v1(134.9,75.1) 134.93,75.07 U201.21 ; v1(91.9,68.8) 91.95,68.8 92.75,68 119.23,68 120.88,66.35 121.69,66.35 v1(122.09,65.95) ; v1(124.98,62.8) 124.98,61.28 122.8,59.1 122.8,46.9 123.39,46.31 125.6,46.31 U501.212
  In1.Cu w0.2: v1(122.09,65.95) 124,65.95 126.3,63.65 126.3,63.1 126,62.8 v1(124.98,62.8)
  Bottom w0.2: v1(124.98,62.8) 124.78,63 124.78,65 127.85,68.07 127.85,69.65 131.9,73.7 133.55,73.7 134.9,75.05 v1(134.9,75.1) ; v1(91.9,68.8) v1(88.7,68.8)
/NUCLEO_L476RG/STEPPER_MS1: length 152.6
  Top w0.2: 120.87,65.8 120.73,65.93 ; 120.73,65.93 119.07,67.6 92.35,67.6 91.95,68 v1(91.9,68) ; 120.73,65.93 120.92,65.75 v1(121.22,65.75) ; U201.25 132.32,74.92 v1(132.5,75.1) ; v1(123.78,61.94) 122,60.15 122,41.9 122.43,41.47 125.6,41.47 U501.214 ; J504.4 38.89,73.51 39.6,72.8 41.91,72.8 42.63,73.53 42.63,82.16 45.57,85.1 55.37,85.1 62.07,78.4 78.53,78.4 88.1,68.83 88.1,68.55 88.65,68 v1(88.7,68)
  In1.Cu w0.2: v1(121.22,65.75) 121.2,65.73 121.2,64.7 122.4,63.5 122.4,62.37 122.83,61.94 v1(123.78,61.94)
  Bottom w0.2: v1(132.5,75.1) 131.9,74.5 131.57,74.5 123.98,66.92 123.98,62.12 123.8,61.94 v1(123.78,61.94) ; v1(91.9,68) v1(88.7,68)
/NUCLEO_L476RG/STEPPER_MS2: length 156.5
  Top w0.2: v1(88.7,67.2) 88.65,67.2 87.7,68.15 87.7,68.67 78.37,78 61.9,78 55.2,84.7 45.73,84.7 43.03,82 43.03,73.36 42.07,72.4 37.2,72.4 36.35,73.25 J504.6 ; v1(91.9,67.2) 118.9,67.2 120.95,65.15 121.55,65.15 121.75,65.35 122.45,65.35 123.2,64.6 v1(123.2,63.1) 121.2,61.1 121.2,40.5 122.9,38.8 125.47,38.8 U501.216 ; 131.68,73.84 131.68,75.12 v1(131.65,75.15)
  Bottom w0.2: v1(123.2,63.1) 123.5,63.4 123.5,67 v1(131.65,75.15) ; v1(88.7,67.2) v1(91.9,67.2)
/NUCLEO_L476RG/TIM2_CH1_ENC_A: length 100
  Top w0.2: U501.128 65.79,24.16 67.05,22.9 67.05,21.6 66.55,21.1 47.95,21.1 44.15,17.3 43.95,17.3 43.94,17.29 v1(41.2,17.29) ; R901.1 40.31,18.53 C901.1 v1(41.2,18.5) ; J504.16 23.7,74.95 23.7,53.03 28.13,48.6 30.72,48.6 39.88,39.44 39.88,33.46 39.88,33.45 39.88,26.47 v1(39.68,26.27)
  Bottom w0.2: v1(39.68,26.27) 40.5,25.45 40.5,19.2 v1(41.2,18.5) v1(41.2,17.29)
/NUCLEO_L476RG/TIM2_CH2_ENC_B: length 86
  Top w0.2: J504.14 26.19,73.39 24.1,71.3 24.1,53.2 28.3,49 30.88,49 40.28,39.61 40.28,33.62 40.28,33.62 C902.1 40.31,25.47 R902.1 41.2,24.5 42.1,23.6 64.49,23.6 U501.130
/NUCLEO_L476RG/TIM3_CH1_STEPPER_PWM: length 157.1
  Top w0.2: U201.22 134.28,74.92 v1(134.1,75.1) ; v1(91.9,65.6) 91.95,65.6 92.75,66.4 118.57,66.4 121.07,63.9 v1(121.1,63.9) ; v1(123.84,61.14) 122.4,59.7 122.4,44.43 U501.213 ; v1(88.7,65.6) 88.65,65.6 86.9,67.35 86.9,68.34 78.04,77.2 61.57,77.2 54.87,83.9 46.06,83.9 43.83,81.67 43.83,73.03 42.4,71.6 32.2,71.6 31.27,72.53 J504.10
  In1.Cu w0.2: v1(121.1,63.9) 121.43,63.9 122,63.33 122,62.2 123.06,61.14 v1(123.84,61.14)
  Bottom w0.2: v1(123.84,61.14) 124.38,61.68 124.38,66.75 131.73,74.1 132.35,74.1 133.35,75.1 v1(134.1,75.1) ; v1(88.7,65.6) v1(91.9,65.6)
/Rotary_Encodeur/A: length 9.3
  Top w0.2: 45.22,21.47 44.58,21.47 44.4,21.3 40.09,21.3 R903.2 R901.2 SW901.A 37.5,19.7
/Rotary_Encodeur/B: length 9
  Top w0.2: 45.22,22.78 40.1,22.78 39.37,23.5 R904.2 R902.2 SW901.B
/Rotary_Encodeur/S: length 29.4
  Top w0.2: D901.1 43.52,17.89 40.95,17.89 40.52,17.46 25.04,17.46 SW901.S1 R906.1 R905.2
